# Altium PCB ArcadeTestHAT 05.PcbDoc (part 1 of 2) (continued)
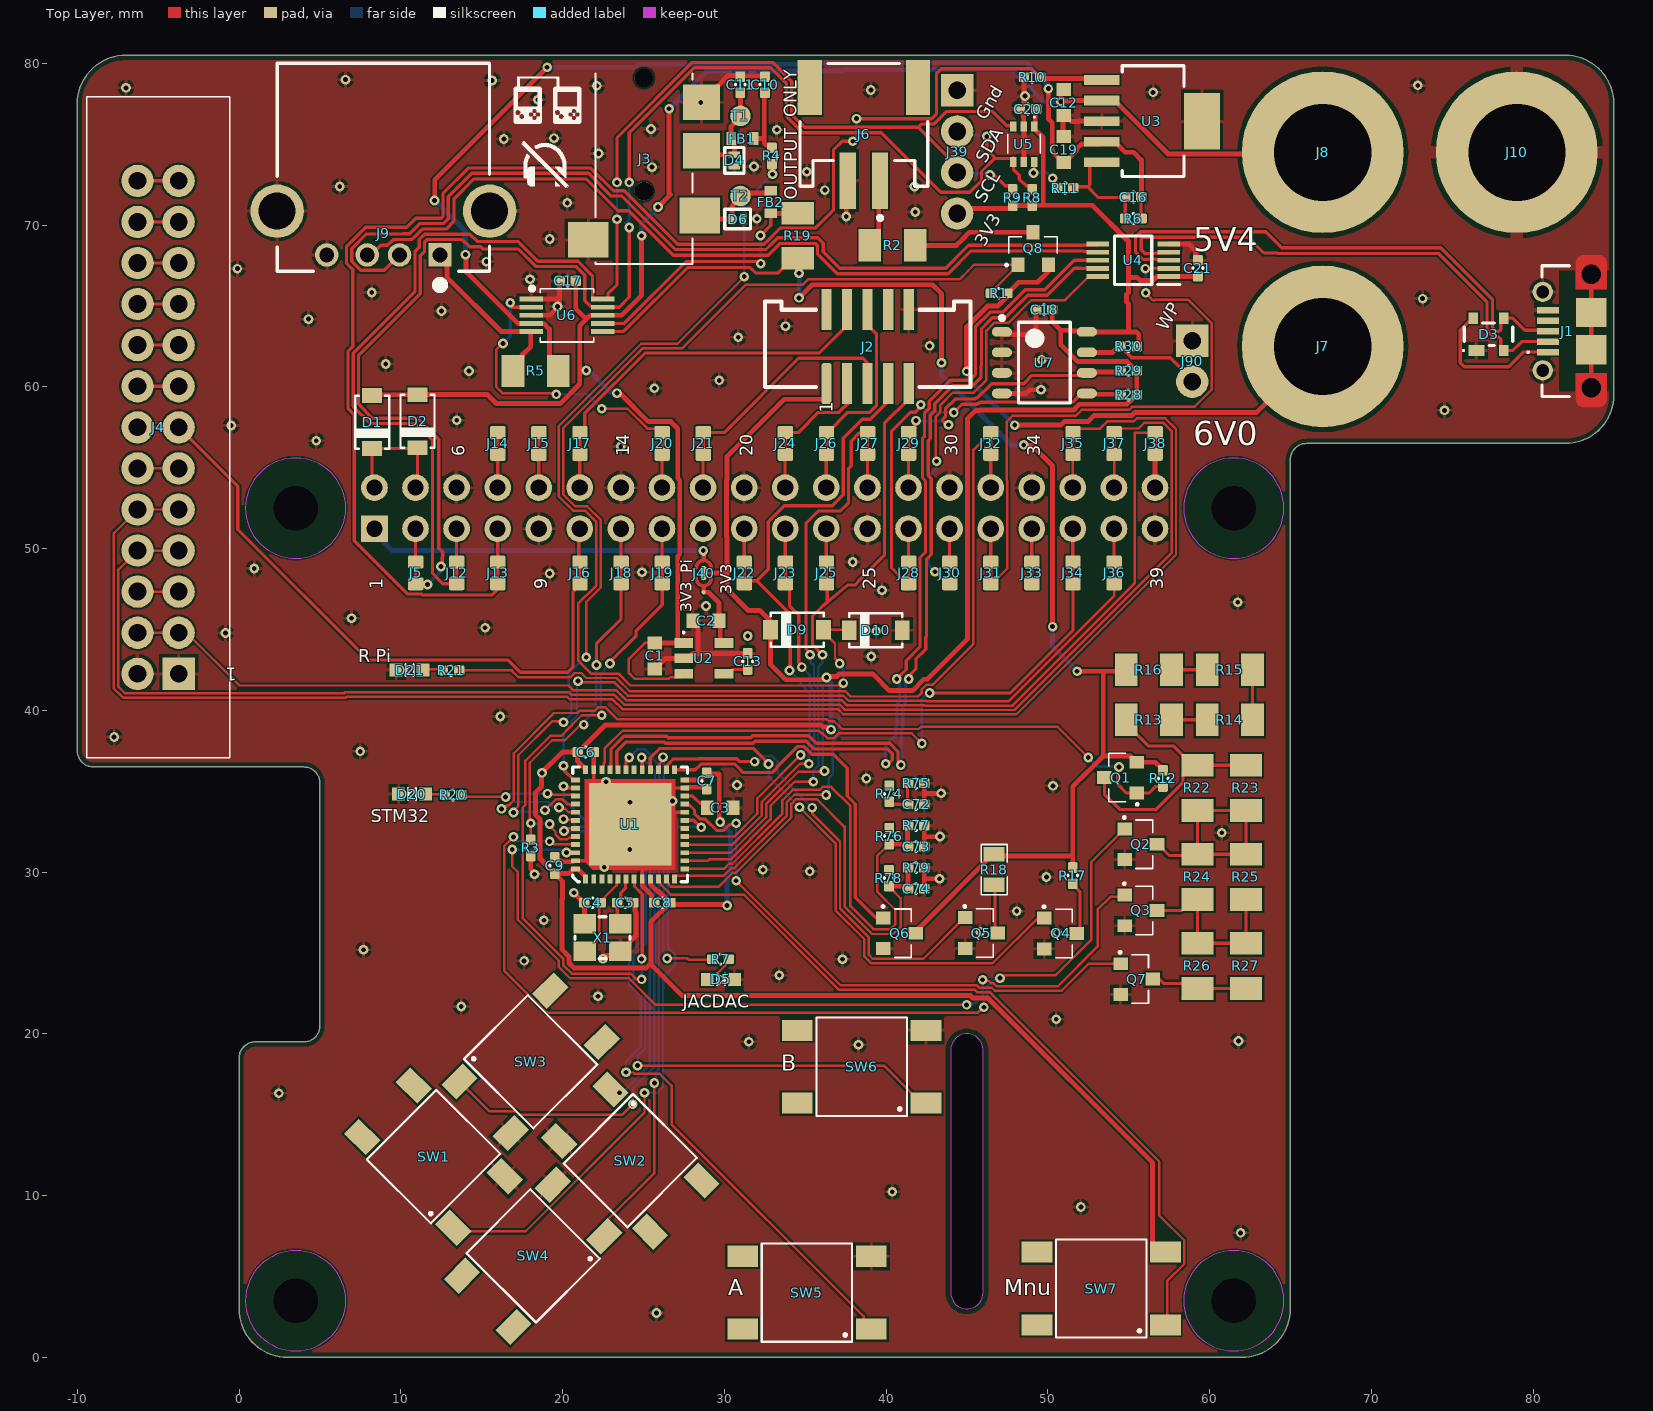
[diagram p0: Top Layer view]
## Part data (continued)
J39: library part "Header Multicomp 2211S-04G-whitesch", "2.54mm, 4x1 way, vertical, square pin, gold plate", Contact Resistance=20, Current Rating=3, Flammability Rating=UL94V-0, Insulation Resistance=1000, Manufacturer=Multicomp, Manufacturer Part Number=2211S-04G, Operating Temperature Max=105, Operating Temperature Min=-40, Supplier Part Number 1=1593413, Voltage Rating V AC=250, Withstand Voltage="600V<!--FANDB--><div class=\"features-and-benefits-container\"><div class=\"features-and-benefits-description\"><span class=\"features-benefits-value\">The 2211S-04G is a 4-pin 1-row PCB Header with gold plated copper alloy contacts and a black high temperature plastic (PBT) insulator. This board-to-board holder is ideal for through hole vertical mounting.</span></div><div class=\"features-and-benefits-list\"><ul class=\"features-and-benefits-list-list\"><li class=\"features-and-benefits-list-item\">3A AC/DC Rated current</li><li class=\"features-and-benefits-list-item\">250VAC/DC Rated voltage</li><li class=\"features-and-benefits-list-item\">20", ComponentLink1Description="header strip datasheet", ComponentLink1URL=http://www.farnell.com/datasheets/1518407.pdf, Contact Material="Copper Alloy", Contact Plating="Gold Plated Contacts", Contact Termination=Solder, Contact Termination Type="Through Hole", Created By=HUGHWI, Gender=Header, Lead Spacing=2.54, No. of Contacts=4, No. of Rows=1, Pitch Spacing=2.54, Pricing 1="1=0.0973, 5=0.0918, 25=0.0864, 50=0.0808, 100=0.0753, 250=0.032 (GBP)", Product Range=2211, RoHS=YES, Stock 1=2760, Supplier 1=Farnell, SVHC="No SVHC (17-Dec-2015)", Termination Method=Solder
J40: library part ThreeWaySolderBlob
J90: library part "Header Multicomp 2211S-02G-whitesch", "2.54mm, 2x1 way, vertical, square pin, gold plate", Manufacturer=Multicomp, Manufacturer Part Number=2211S-02G, Supplier Part Number 1=1593411, ComponentLink1Description="header strip datasheet", ComponentLink1URL=http://www.farnell.com/datasheets/1518407.pdf, Created By=daclethe, Pricing 1="100=0.0203, 500=0.0146, 1000=0.0122, 2500=0.011, 5000=0.0099, 10000=0.0086 (GBP)", RoHS=YES, Stock 1=168174, Supplier 1=Farnell
Q1 Q8: library part DMG2305UX-whitesch, Case/Package=TO-236-3, Continuous Drain Current (ID)=4.2A, Drain to Source Breakdown Voltage=-20V, Drain to Source Resistance=52mR, Drain to Source Voltage (Vdss)=20V, Gate to Source Voltage (Vgs)=8V, Input Capacitance=808pF, Manufacturer=Diodes, Manufacturer Part Number=DMG2305UX-13, Max Operating Temperature=150°C, Max Power Dissipation=1.4W, Min Operating Temperature=-55°C, On-State Resistance=65MR, Package Quantity=1, Supplier Part Number 1=DMG2305UX-13DICT-ND, Threshold Voltage=-900mV, ComponentLink2Description="online datasheet", ComponentLink2URL=https://datasheet.ciiva.com/18566/dmg2305ux-18566951.pdf, ComponentLink3Description=datasheet, ComponentLink3URL="Y:\System\Altium\Libraries 2014\Diodes Inc\Datasheets\dmg2305ux-30023840.pdf", Element Configuration=Single, Fall Time=34.7ns, Height=1.1mm, Lead Free="Lead Free", Length=3mm, Mount="Surface Mount", Number of Channels=1, Number of Pins=3, Packaging="Tape and Reel", Pricing 1="1=0.44, 10=0.398, 100=0.2228, 500=0.1194, 1000=0.0812 (USD)", Radiation Hardening=No, Rds On Max=52mR, REACH SVHC="No SVHC", Rise Time=13.7ns, Stock 1=131638, Supplier 1=Digi-Key, Supplier 2=Farnell, Supplier 3=Mouser, Supplier 4=RSComponents, Supplier Part Number 2=2543533, Supplier Part Number 3=621-DMG2305UX-7, Supplier Part Number 4=8270452, Turn-Off Delay Time=79.3ns, Turn-On Delay Time=10.8ns, Weight=0.000282oz, Width=1.4mm
Q2 Q3 Q4 Q5 Q6 Q7: library part DMG2302UK-whitesch, Case/Package=TO-236-3, Continuous Drain Current (ID)=2.8A, Drain to Source Voltage (Vdss)=20V, Input Capacitance=130pF, Manufacturer=Diodes, Manufacturer Part Number=DMG2302UK-7, Max Operating Temperature=150°C, Max Power Dissipation=660mW, Min Operating Temperature=-55°C, Supplier Part Number 1=DMG2302UK-7DICT-ND, ComponentLink2Description="online datasheet", ComponentLink2URL=https://www.diodes.com/assets/Datasheets/DMG2302UK.pdf, ComponentLink3Description=datasheet, ComponentLink3URL="Y:\System\Altium\Libraries 2014\Diodes Inc\Datasheets\DMG2302UK.pdf", Mount="Surface Mount", Packaging="Tape and Reel", Pricing 1="1=0.34000, 10=0.25000, 100=0.11890, 500=0.09704, 1000=0.07199 (USD)", Rds On Max=90mR, RoHS=Yes, Stock 1=37938, Supplier 1=Digi-Key, Supplier 2=Farnell, Supplier 3=Mouser, Supplier 4=RSComponents, Supplier Part Number 2=3127315, Supplier Part Number 3=621-DMG2302UK-7, Supplier Part Number 4=1333362
R1 R10: "Generic 0402 resistor 100k, e.g. Multicomp MCWR04X1003FTL", Case/Package=0402, Case Code (Metric)=1005, Manufacturer=Multicomp, Power Rating=62.5mW, Resistance=100k, Supplier Part Number 1=2447094, Temperature Coefficient=100ppm/°C, Tolerance=1%, Voltage Rating=50V, Case Code (Imperial)=0402, ComponentLink1Description="Multicomp datasheet online", ComponentLink1URL=http://www.farnell.com/datasheets/1849611.pdf?src-supplier=Element14, ComponentLink2Description=datasheet, ComponentLink2URL="Y:\System\Altium\Libraries 2014\Multicomp\datasheets\thick film chip resistors 1849611.pdf", Composition="Thick Film", Manufacturer Part Number=MCWR04X1003FTL, Mount="Surface Mount", Packaging="Cut Tape", Pricing 1="10=0.0041, 100=0.0025, 500=0.0018, 2500=0.0014, 5000=0.0011 (GBP)", REACH SVHC="No SVHC", Stock 1=414470, Supplier 1=Farnell, Voltage Rating (DC)=50V
R2 R5 R19: "Generic 1206 resistor 0.05R 1% 0.5W, e.g. Ohmite KDV12FR050ET", Manufacturer=Ohmite, Package Size=1206, Power=500mW, Supplier Part Number 1=273-KDV12FR050ETCT-ND, Tolerance=1%, ComponentLink1Description="Ohmite datasheet online", ComponentLink1URL=https://www.ohmite.com/assets/docs/res_kdv.pdf, Manufacturer Part Number=KDV12FR050ET, Pricing 1="1=0.29000, 10=0.24200, 25=0.17600, 50=0.12760, 100=0.09460, 250=0.07260, 500=0.05720, 1000=0.03960 (USD)", Stock 1=4924, Supplier 1=Digi-Key, Supplier 2=Farnell, Supplier 3=Mouser, Supplier Part Number 2=3273730, Supplier Part Number 3=588-KDV12FR050ET
R3 R12 R74 R75 R76 R77 R78 R79: "generic 0402 resistor 100k, e.g. Multicomp MCWR04X1003FTL", Case/Package=0402, Case Code (Metric)=1005, Manufacturer=Multicomp, Power Rating=62.5mW, Resistance=100k, Supplier Part Number 1=2447094, Temperature Coefficient=100ppm/°C, Tolerance=1%, Voltage Rating=50V, Case Code (Imperial)=0402, ComponentLink1Description="Multicomp datasheet online", ComponentLink1URL=http://www.farnell.com/datasheets/1849611.pdf?src-supplier=Element14, ComponentLink2Description=datasheet, ComponentLink2URL="Y:\System\Altium\Libraries 2014\Multicomp\datasheets\thick film chip resistors 1849611.pdf", Composition="Thick Film", Manufacturer Part Number=MCWR04X1003FTL, Mount="Surface Mount", Packaging="Cut Tape", Pricing 1="10=0.0041, 100=0.0025, 500=0.0018, 2500=0.0014, 5000=0.0011 (GBP)", REACH SVHC="No SVHC", Stock 1=414470, Supplier 1=Farnell, Voltage Rating (DC)=50V
R4: library part RES0402_GENERIC, "Generic 0402 resistor 220R", Case=0402, Manufacturer=Generic
R6: library part RES0402_GENERIC, "Generic 0402 Chip Resistor 75k", Case=0402, Manufacturer=Generic
R7 R20 R21: library part RES0402_GENERIC, "Generic 0402 resistor 100R", Case=0402, Manufacturer=Generic
R8 R9 R28 R29: library part RES0402_GENERIC, "Generic 0402 resistor 3k9", Case=0402, Manufacturer=Generic
R11: library part RES0402_GENERIC, "Generic 0402 resistor 22k", Case=0402, Manufacturer=Generic
R13 R14 R15 R16 R22 R23 R24 R25 R26 R27: "Generic 1206 resistor 2R 0.33W 5%, e.g. Panasonic ERJ-P08J2R0V", Case/Package=1206, Case Code (Metric)=3216, Manufacturer=Panasonic, Max Operating Temperature=155°C, Min Operating Temperature=-55°C, Package Quantity=5000, Power Rating=660mW, Resistance=2R, Supplier Part Number 1=ERJ-P08J2R0V-ND, Temperature Coefficient=600ppm/°C, Tolerance=5%, Voltage Rating=500V, Voltage Rating (DC)=200V, Case Code (Imperial)=1206, ComponentLink1Description="Panasonic datasheet online", ComponentLink1URL=https://industrial.panasonic.com/cdbs/www-data/pdf/RDO0000/AOA0000C331.pdf, Composition="Thick Film", Depth=1.6mm, Height=0.6mm, Length=3.2mm, Manufacturer Part Number=ERJ-P08J2R0V, Mount="Surface Mount", Number of Pins=2, Packaging="Tape and Reel", Pricing 1="5000=0.01560 (USD)", REACH SVHC="No SVHC", RoHS=Yes, Stock 1=0, Supplier 1=Digi-Key, Supplier 2=Farnell, Supplier 3=Mouser, Supplier 4=RSComponents, Supplier Part Number 2=1894401, Supplier Part Number 3=667-ERJ-P08J2R0V, Supplier Part Number 4=721-8627, Termination=SMD/SMT, Width=1.6mm
R17 R30: library part RES0402_GENERIC, "Generic 0402 resistor 1k", Case=0402, Manufacturer=Generic
R18: library part AS08J1000ET, "Generic 0805 resistor 100R 5% 1/3W, e.g. Ohmite AS08J1000ET", Case/Package=0805, Manufacturer=Ohmite, Max Operating Temperature=155°C, Max Power Dissipation=333mW, Min Operating Temperature=-55°C, Package Quantity=5000, Resistance=100R, Supplier Part Number 1=AS08J1000ET-ND, Temperature Coefficient=100ppm/°C, Tolerance=5%, ComponentLink1Description="Ohmite datasheet online", ComponentLink1URL=https://www.mouser.co.uk/datasheet/2/303/ohmite_res_as_smd-1189203.pdf, Composition="Thick Film", Height=0.026inch, Length=0.079inch, Manufacturer Part Number=AS08J1000ET, Number of Terminations=2, Packaging="Tape and Reel", Pricing 1="5000=0.02250 (USD)", RoHS=Yes, Stock 1=0, Supplier 1=Digi-Key, Supplier 2=Mouser, Supplier Part Number 2=588-AS08J1000ET, Width=0.049inch
SW1 SW2 SW3 SW4 SW5 SW6 SW7: "Generic 6x6mm SPST button e,g, Wurth 430152050826", Contact Current Rating=50mA, Manufacturer="Wurth Electronics", Manufacturer Part Number=430152050826, Max Operating Temperature=85°C, Min Operating Temperature=-40°C, Operating Force=260gf, Supplier Part Number 1=732-6993-1-ND, Actuator Length=1.6mm, Actuator Material="Polymer,Liquid Crystal Polymer", Actuator Type=Standard, ComponentLink1Description="wurth datasheet online", ComponentLink1URL=http://www.farnell.com/datasheets/1910150.pdf?src-supplier=Element14, ComponentLink2Description="wurth datasheet", ComponentLink2URL="Y:\System\Altium\Libraries 2014\Wurth\Datasheets\4301x2xxx8x6 1910150.pdf", Contact Material="Stainless Steel,Steel", Current Rating=50mA, Height=5mm, Illumination Type=Non-Illuminated,Illuminated, Length=6.2mm, Mechanical Life=200000Cycles, Mount="Surface Mount", Packaging="Tape and Reel", Pricing 1="1=0.47, 500=0.38232 (USD)", REACH SVHC="No SVHC", Stock 1=2282, Supplier 1=Digi-Key, Supplier 2=Farnell, Supplier 3=RSComponents, Supplier Part Number 2=2065110, Supplier Part Number 3=7856213, Switch Function=Off-Mom, Switch Travel=0.25mm, Termination="Gull Wing", Throw Configuration=SPST, Width=6.2mm
T1 T2: "Test Point"
U1: "ARM Cortex M4 MCU+FPU 512k Flash, 128k RAM, 100MHz, QFPN48", Case/Package=UFQFPN, Frequency=100MHz, Manufacturer=STMicroelectronics, Manufacturer Part Number=STM32F411CEU6, Max Operating Temperature=85°C, Max Power Dissipation=625mW, Max Supply Voltage=3.6V, Min Operating Temperature=-40°C, Min Supply Voltage=1.7V, Operating Supply Voltage=3.3V, Package Quantity=1560, Supplier Part Number 1=497-14907-ND, ComponentLink1Description="ST datasheet", ComponentLink1URL=https://www.st.com/resource/en/datasheet/stm32f411vc.pdf, Core Architecture=ARM, Data Bus Width=32b, Interface=I2C,I2S,IrDA,LIN,MMC,SD,SDIO,SPI,UART,USART,USB, Lead Free="Lead Free", Length=7mm, Max Frequency=100MHz, Memory Size=512KB, Memory Type=FLASH, Mount="Surface Mount", Number of ADC Channels=16, Number of I/Os=36, Number of Pins=48, Number of Programmable I/O=36, Number of Timers/Counters=8, Oscillator Type=Internal, Packaging=Tray, Peripherals="Brown-out Detect/Reset,DMA,POR,PWM,WDT", Pricing 1="1=6.25, 10=5.65, 260=4.46708, 520=4.07294, 1040=3.54739 (USD)", Radiation Hardening=No, RAM Size=128KB, REACH SVHC="No SVHC", Stock 1=16657, Supplier 1=Digi-Key, Supplier 2=Farnell, Supplier 3=Mouser, Supplier 4=RSComponents, Supplier Part Number 2=2456965, Supplier Part Number 3=511-STM32F411CEU6, Supplier Part Number 4=1106616, Watchdog Timer=Yes, Width=7mm
U2: "3.3V LDO", Case/Package=SOT-23-5, Dropout Voltage=340mV, Manufacturer=Exar, Manufacturer Part Number=SPX3819M5-L-3-3/TR, Max Input Voltage=16V, Max Operating Temperature=125°C, Max Output Current=500mA, Min Input Voltage=2.5V, Min Operating Temperature=-40°C, Min Output Voltage=3.3V, Output Voltage Accuracy=1%, Quiescent Current=3uA, Supplier Part Number 1=1016-1873-1-ND, Accuracy=1%, ComponentLink3Description="MaxLinear datasheet online", ComponentLink3URL=https://www.maxlinear.com/ds/spx3819.pdf, ComponentLink4Description="Maxlinear datasheet", ComponentLink4URL="Y:\System\Altium\Libraries 2014\MaxLinear (was Exar)\datasheets\SPX3819.pdf", Height=1.3mm, Lead Free="Lead Free", Length=2.9mm, Mount="Surface Mount", Number of Outputs=1, Number of Pins=5, Number of Regulators=1, Output Current=500mA, Output Type=Fixed, Output Voltage=3.3V, Packaging="Tape and Reel", Polarity=Positive, Pricing 1="1=0.57, 10=0.479, 25=0.4196, 100=0.3595, 250=0.3116, 500=0.26364, 1000=0.20373 (USD)", Radiation Hardening=No, Stock 1=72378, Supplier 1=Digi-Key, Supplier 2=Farnell, Supplier 3=Mouser, Supplier 4=RSComponents, Supplier Part Number 2=2889625, Supplier Part Number 3=701-SPX3819M5-L-33TR, Supplier Part Number 4=8472888, Width=1.6mm
U3: "IC REG LDO adj1A SOT223-6", Case/Package=SOT-223, Dropout Voltage=200mV, Input Bias Current=265uA, Manufacturer="Texas Instruments", Max Input Voltage=5.5V, Max Operating Temperature=125°C, Max Output Current=1A, Min Current Limit=2.4A, Min Input Voltage=2.7V, Min Operating Temperature=-40°C, Min Output Voltage=1.2V, Output Voltage Accuracy=2%, Package Quantity=1, Quiescent Current=260uA, Reference Voltage=1.225V, Supplier Part Number 1=296-13761-1-ND, Accuracy=2%, ComponentLink1Description="TI datasheet online", ComponentLink1URL=http://www.ti.com/lit/ds/symlink/tps796.pdf, Contact Plating=Gold, Lead Free="Lead Free", Manufacturer Part Number=TPS79601DCQR, Max Output Voltage=5.5V, Number of Outputs=1, Number of Pins=6, Number of Regulators=1, Output Current=1A, Output Type=Adjustable, Output Voltage=5.5V, Packaging="Tape and Reel", Polarity=Positive, Pricing 1="1=3.16000, 10=2.83500, 25=2.67960, 100=2.20340, 250=1.97708, 500=1.90560, 1000=1.58403 (USD)", Radiation Hardening=No, REACH SVHC="No SVHC", RoHS=Yes, Stock 1=1314, Supplier 1=Digi-Key, Supplier 2=Farnell, Supplier 3=Mouser, Supplier Part Number 2=3007966, Supplier Part Number 3=595-TPS79601DCQR
U4: "USB 2.0 multiplexer, 2 port", Case/Package=MSOP, Current=100mA, Manufacturer="ON Semiconductor / Fairchild", Max Operating Temperature=85°C, Max Supply Voltage=4.3V, Min Operating Temperature=-40°C, Min Supply Voltage=3V, On-State Resistance=6.5R, Package Quantity=1, Supplier Part Number 1=FSUSB42MUXCT-ND, ComponentLink1Description="online datasheet", ComponentLink1URL=https://www.onsemi.com/pub/Collateral/FSUSB42-D.PDF, Data Rate=480Mbps, Height=0.85mm, Lead Free="Lead Free", Length=3mm, Manufacturer Part Number=FSUSB42MUX, Mount="Surface Mount", Number of Channels=2, Number of Inputs=2, Number of Outputs=4, Number of Pins=10, Operating Supply Voltage=4.3V, Packaging="Tape and Reel", Pricing 1="1=0.62000, 10=0.54400, 100=0.38730, 500=0.31312, 1000=0.23896 (USD)", Radiation Hardening=No, REACH SVHC="No SVHC", RoHS=Yes, Stock 1=15860, Supplier 1=Digi-Key, Supplier 2=Farnell, Supplier 3=Mouser, Supplier 4=RSComponents, Supplier Part Number 2=2564479, Supplier Part Number 3=512-FSUSB42MUX, Supplier Part Number 4=7395144, Supply Type=Single, Throw Configuration=DPDT, Voltage=4.3V, Weight=0.1125g, Width=3mm
U5: "I2C digital pot 5k, single, 7 bit, 6SC70", Case/Package=SC, Manufacturer=Microchip, Max Operating Temperature=125°C, Max Supply Voltage=5.5V, Min Operating Temperature=-40°C, Min Supply Voltage=1.8V, Nominal Supply Current=2.5uA, Package Quantity=3000, Resistance=5kR, Supplier Part Number 1=MCP4018T-502E/LTCT-ND, Temperature Coefficient=150ppm/°C, Tolerance=20%, ComponentLink1Description="Microchip datasheet online", ComponentLink1URL=http://ww1.microchip.com/downloads/en/DeviceDoc/22147a.pdf, Height=1mm, Interface=I2C,Serial,2-Wire, Lead Free="Lead Free", Length=2mm, Manufacturer Part Number=MCP4018T-502E/LT, Memory Type=Volatile, Mount="Surface Mount", Number of Circuits=1, Number of Elements=1, Number of Pins=6, Number of Positions=128, Number of Taps=128, Packaging="Tape and Reel", Pricing 1="1=0.51000, 25=0.43000 (USD)", Radiation Hardening=No, REACH SVHC="No SVHC", RoHS=Yes, Stock 1=3653, Supplier 1=Digi-Key, Supplier 2=Farnell, Supplier 3=Mouser, Supplier Part Number 2=1800210, Supplier Part Number 3=579-MCP4018T502ELT, Width=1.25mm
U6: "IC ADC 16-BIT I2C PROGBL 10-MSOP", Input Voltage="4.096 V", Manufacturer="Texas Instruments (TI)", Maximum Single Supply Voltage="5.5 V", Max Processing Temp=260, Minimum Single Supply Voltage="2 V", Operating Temperature="-40 to 125 C", Package=10VSSOP, Polarity of Input Voltage=Bipolar, Supplier Part Number 1=296-24934-1-ND, Typical Power Dissipation="0.9 mW", Typical Single Supply Voltage="3.3 V", Voltage Reference=Internal, Voltage Supply Source=Single, Architecture=Delta-Sigma, Category=ADC, ComponentLink1Description="online datasheet", ComponentLink1URL=http://www.ti.com/lit/ds/symlink/ads1115.pdf, Differential Input=Yes, Digital Interface Type="Serial (2-Wire, I2C)", Digital Supply Support=No, Full Scale Error="0.15 % of FSR", Input Signal Type=Single-Ended|Differential, Input Type=Voltage, Integral Nonlinearity Error="1 LSB", Lead Finish=Gold, Manufacturer Part Number=ADS1115IDGST, Mounting="Surface Mount", Number of ADCs=1, Number of Analog Inputs=4|2, Pricing 1="1=6.51, 10=5.847, 100=4.7903 (USD)", Resolution="16 Bit", Sample and Hold=No, Sampling Rate="860 sps", Single-Ended Input=Yes, Stock 1=6232, Supplier 1=Digikey
U7: "I2C serial EEPROM 32 kbit", Case/Package=SOIC, Frequency=400kHz, Manufacturer="ON Semiconductor", Manufacturer Part Number=CAT24C32WIGT3, Max Frequency=100kHz, Max Operating Temperature=85°C, Max Supply Voltage=5.5V, Min Operating Temperature=-40°C, Min Supply Voltage=1.7V, Nominal Supply Current=2mA, Operating Supply Voltage=5V, Package Quantity=1, Supplier Part Number 1=CAT24C32WI-GT3CT-ND, Access Time=3500ns, ComponentLink1Description="On Semi datasheet online", ComponentLink1URL=https://www.onsemi.com/pub/Collateral/CAT24C32-D.PDF, Contact Plating=Gold, Density=32Kb, Halogen Free="Halogen Free", Height=1.5mm, Interface=I2C,Serial,2-Wire, Lead Free="Lead Free", Length=5mm, Memory Size=32Kb, Memory Type=EEPROM, Mount="Surface Mount", Number of Pins=8, Number of Words=4096, Packaging="Tape and Reel", Pricing 1="1=0.200000, 10=0.197000, 100=0.161900, 500=0.157360, 1000=0.153150 (USD)", Radiation Hardening=No, REACH SVHC="No SVHC", RoHS=Yes, Stock 1=37111, Supplier 1=Digi-Key, Supplier 2=Farnell, Supplier 3=Mouser, Supplier 4=RSComponents, Supplier Part Number 2=2306646, Supplier Part Number 3=698-CAT24C32WI-GT3, Supplier Part Number 4=7814828, Width=4mm
X1: "Generic 3.2x2.5mm 24MHz 12pF SMD xtal, e.g. Multicomp MCSJK-7U-24.00-12-10-60-B-10", Frequency=24MHz, Loading capacitance=12pF, Manufacturer=Multicomp, Manufacturer Part Number=MCSJK-7U-24.00-12-10-60-B-10, Supplier Part Number 1=2853960, Tolerance=±10ppm, ComponentLink1Description="online datasheet", ComponentLink1URL=http://www.farnell.com/datasheets/2645227.pdf?_ga=2.202843601.1706070776.1558802095-240913015.1522930266, ComponentLink2Description=datasheet, ComponentLink2URL="Y:\System\Altium\Libraries 2014\Multicomp\datasheets\MCSJK-7U 3.2x2.5mm SMD xtals.pdf", ESR=60R, Pricing 1="5=0.14, 50=0.114, 250=0.105, 500=0.099, 1500=0.095, 3000=0.086, 15000=0.0843 (GBP)", Stock 1=2335, Supplier 1=Farnell

## Free pads (board coordinates)
  round 0 hole 2.75 unplated mask+3.1: 7(3.5,3.5) 7(3.5,52.5) 7(61.5,3.5) 7(61.5,52.5)

## Via types
v1: diameter 0.6, hole 0.3, Top Layer to Bottom Layer, tented both sides, 217 vias
v2: diameter 0.6, hole 0.3, Top Layer to Bottom Layer, 1 vias

## Nets (pads, with @x,y where several pads share a name; then routed paths per layer and width w, separated by ;. In a path a pad name is that pad's centre, name@x,y a point inside that pad or via, vN(x,y) a via of type N, cw(c..) or ccw(c..) an arc to the next point about the centre after c; other vN are vias at no path point)
3V3: C6.2 C7.2 C8.2 C9.2 C18.2 C20.2 C21.2 D9.1 J2.1 J39.4 J40.2 R8.1 R9.1 R28.1 R29.1 R30.1 SW7.2 U1.1 U1.9 U1.24 U1.36 U1.48 U4.1 U5.1 U7.8 | length 212.4
  Top Layer w0.2: J40.2@28.725,48.487 29.376,48.486 29.382,48.48
  Top Layer w0.3: C6.2@20.75,37.42 19.984,37.42 18.7,36.136 18.7,35.287 18.325,34.912 18.325,33.542 18.609,33.258 18.609,30.842 19.52,29.932 C9.2@19.52,29.907 ; C6.2@20.925,37.425 20.925,36.85 U1.36@21.425,36.35 ; C6.2@21.107,37.27 20.957,37.42 22.628,39.091 35.995,39.091 36.112,38.974 v1@36.358,38.974 ; U1.1@21.43,29.575 21.43,29.7 20.93,30.2 U1.48@20.805,30.2 20.68,30.2 20.386,29.907 C9.2@19.52,29.907 ; U1.36@21.43,36.325 U1.36@21.43,36.45 ; U1.9@25.43,29.575 25.43,29.262 25.932,28.759 25.996,28.759 26.505,28.25 C8.2@26.674,28.25 ; C8.2@26.674,28.107 26.649,28.107 25.467,26.925 25.467,24.4 25.425,24.358 25.425,24.333 ; C8.2@26.702,27.997 30.118,27.997 v1(30.175,27.94) ; U1.24@27.555,35.7 28.506,35.7 28.916,36.11 C7.2@28.916,36.135 ; C7.2@28.983,36.068 29.693,36.068 29.693,33.147 v1(29.743,33.096) ; 29.382,48.48 29.402,48.5 30.175,48.5 ; 32.175,46.175 31.475,46.175 30.175,47.475 30.175,48.5 ; 32.181,46.181 D9.1@32.862,45.5 ; D9.1@32.862,44.992 32.862,42.83 33.798,41.894 36.179,41.894 v1(36.322,42.037) ; J2.1@36.322,60.198 36.322,59.404 36.155,59.237 33.71,59.237 30.175,55.702 30.175,54.271 30.13,54.226 30.13,50.774 30.175,50.729 30.175,48.5 ; v1@36.405,42.094 36.963,42.094 37.125,42.256 39.176,42.256 40.208,41.224 41.648,41.224 42.345,41.922 42.557,41.922 45.03,44.395 45.03,58.035 45.54,58.545 45.783,58.545 45.808,58.57 51.599,58.57 51.954,58.925 54.105,58.925 54.895,58.925 55.095,59.125 55.1,59.125 R28.1@55.411,59.436 ; J39.4@44.4,70.714 44.716,71.029 47.678,71.029 47.828,71.179 R9.1@47.828,71.204 R8.1@49.047,71.204 49.068,71.225 49.725,71.225 ; U5.1@49.175,75.966 49.725,75.416 49.725,71.225 ; U5.1@49.175,76.166 49.225,76.216 C20.2@49.225,77.126 ; C20.2@49.225,77.225 C20.2@49.225,77.126 ; C20.2@49.275,77.175 C20.2@49.225,77.126 ; C18.2@50.276,64.77 50.28,64.766 50.28,64.02 50.8,63.5 ; 54.991,63.424 54.991,65.125 54.873,65.243 54.873,65.719 54.991,65.837 54.991,68.986 52.752,71.225 49.725,71.225 ; 55.016,66.751 55.531,66.751 55.703,66.579 56.508,66.579 56.752,66.823 U4.1@57.481,66.823 59.272,66.823 C21.2@59.284,66.835 ; R28.1@55.5,59.5 R29.1@55.5,60.85 ; R29.1@55.5,61 55.475,61 55.048,61.427 55.043,61.427 54.895,61.575 53.383,61.575 53.365,61.557 51.853,61.557 50.8,62.61 50.8,63.5 ; R30.1@55.5,62.5 55.626,62.626 55.626,63.246 55.47,63.402 U7.8@52.416,63.402 52.359,63.459 51.353,63.459 51.312,63.5 50.8,63.5 ; SW7.2@57.285,6.503 56.985,6.503 56.485,7.003 56.485,12.019 46.288,22.216 45.374,22.216 45.222,22.368 27.39,22.368 25.425,24.333 ; C9.2@19.52,29.907 19.99,29.436 19.99,28.321 19.974,28.305 19.974,25.208 20.403,24.779 20.403,24.381 20.72,24.063 25.155,24.063 25.425,24.333
  Bottom Layer w0.3: v1(29.743,33.096) 30.378,32.461 30.378,29.922 30.159,29.702 30.159,29.226 30.175,29.21 v1(30.175,27.94) ; v1(36.322,42.037) 36.322,41.956 36.6,41.678 v1(36.6,38.81)
  other v1: 18.726,36.136
5V4: C1.2 C12.2 C17.2 D1.2 D2.2 J8.1 U2.1 U2.3 U3.2 U6.8 | length 109.9
  Top Layer w0.15: C1.2@25.706,44.167 25.092,44.167 24.1,43.175 24.1,42.3 24.45,41.95 26.221,41.95 26.561,41.95 26.651,42.04 27.265,42.04 U2.3@27.5,42.275
  Top Layer w0.3: D1.2@8.25,59.5 8.264,59.514 D2.2@11.035,59.514 11.04,59.518 15.361,59.518 15.917,58.963 19.847,58.963 21.061,60.177 21.061,61.036 ; C17.2@20.82,66.548 20.82,64.831 21.368,64.283 21.569,64.283 ; v1(21.463,61.011) 21.438,61.036 21.061,61.036 ; v1@23.52,59.639 25.31,57.85 26.702,57.85 27.125,57.427 27.125,54.351 27.25,54.226 27.25,49.658 27.125,49.533 27.125,44.315 27.275,44.165 U2.1@27.484,44.165 ; v1(24.892,69.342) 24.892,65.667 23.65,64.425 21.711,64.425 21.569,64.283 ; C1.2@25.565,44.165 U2.1@27.125,44.165 ; v1(25.908,71.12) 26.67,71.882 26.594,71.958 v1(26.594,77.191) ; v1@50.698,77.673 51.664,77.673 51.689,77.699 U3.2@53.338,77.699 54.138,77.699 57.433,74.404 66.904,74.404 J8.1@67,74.5 ; C12.2@50.8,77.992 50.8,78.176 C12.2@51,78.376 ; 21.061,61.036 21.061,63.775 21.469,64.182 21.569,64.283
  Bottom Layer w0.3: v1@21.641,60.985 22.96,59.666 23.315,59.666 v1(23.368,59.614) ; v1(24.892,69.342) 24.892,70.104 v1(25.908,71.12) ; v1@26.613,77.209 28.924,79.521 37.315,79.521 37.402,79.609 47.773,79.609 49.759,77.622 v1(50.8,77.622)
5V_ADJ: C16.2 C19.2 R5.2 R6.1 U3.4 U6.4 | length 71.3
  Top Layer w0.2: R6.1@55.724,70.475 55.756,70.507 55.756,71.533 C16.2@55.724,71.533
  Top Layer w0.3: v1(12.084,71.525) 12.1,71.541 12.1,72.806 v1(19.05,79.756) ; v1(14,68.175) 14.042,68.133 14.042,67.11 17.228,63.925 U6.4@18.075,63.925 18.839,63.925 19.189,63.575 19.189,61.835 19.556,61.468 R5.2@19.558,61.468 ; v1(50.038,78.435) 50.038,76.569 50.275,76.332 50.275,74.547 50.95,73.872 C19.2@51,73.872 ; C19.2@51.05,73.872 51.774,74.595 51.774,74.71 52.072,75.009 53.188,75.009 U3.4@53.338,75.159 54.138,75.159 54.793,74.503 55.303,74.503 55.788,74.018 C16.2@55.788,71.733
  Bottom Layer w0.3: v1(12.084,71.525) 12.1,71.525 14,69.625 v1(14,68.175) ; v1(19.05,79.756) 24.493,79.756 24.683,79.946 35.282,79.946 35.37,80.034 48.662,80.034 49.981,78.715 49.981,78.444 49.989,78.435 v1(50.038,78.435)
5V_ADJ2: J9.1 R5.1 U6.5 | length 10.1
  Top Layer w0.3: J9.1@12.424,68.156 12.849,67.731 12.849,66.776 16.2,63.425 17.4,63.425 U6.5@18.034,63.425 ; R5.1@17.376,61.722 17.489,61.835 17.489,61.939 18.034,62.484 U6.5@18.034,63.425 ; U6.5@18.075,63.425 U6.5@18.034,63.425
5V_ADJ_EN: J13.2 R10.1 U3.1 | length 89.5
  Top Layer w0.2: 7.124,50.474 10.399,47.2 11.275,47.2 11.35,47.125 15.629,47.125 J13.2@16.002,47.498 ; 7.125,50.475 7.125,58.259 6.74,58.644 6.74,62.218 7.036,62.514 7.036,67.241 6.649,67.628 6.649,68.684 7.832,69.868 10.368,69.868 10.925,70.425 ; 10.925,70.431 12.492,70.431 12.609,70.548 12.609,71.959 14.175,73.525 21.745,73.525 23.151,72.119 23.812,72.119 27.113,68.818 32.447,68.818 32.644,69.015 33.446,69.817 35.637,69.817 36.745,70.925 36.745,74.642 37.287,75.184 v1(37.948,75.184) ; v1(38.176,76.581) 38.184,76.573 42.825,76.573 43.119,76.867 43.119,79.371 43.413,79.665 48.976,79.665 49.501,79.14 R10.1@49.526,79.14
  Top Layer w0.3: R10.1@49.638,79.117 49.701,79.054 53.252,79.054 U3.1@53.338,78.969
  Bottom Layer w0.2: v1(37.948,75.184) 37.948,75.26 38.176,75.489 v1(38.176,76.581)
5V_USB_IN: D3.4 J1.1 | length 9
  Top Layer w0.2: D3.4@76.25,64.25 76.25,64.15 76.1,64 76,64 75.5,63.5 75.5,61.5 75.75,61.25 78.5,61.25 79.398,62.148 J1.1@80.927,62.148
6V: J7.1 Q8.2 R1.1 | length 35.2
  Top Layer w0.3: v1(44.983,60.96) 44.983,63.701 46.281,64.999 46.914,64.999 47.49,65.575 R1.1@47.49,65.786 47.515,65.786 48.199,66.47 49.364,66.47 50.048,67.155 Q8.2@50.048,67.355 ; v1(47.955,57.633) 50.801,57.633 51.018,57.85 52.478,57.85 52.853,58.225 55.185,58.225 55.385,58.425 62.925,58.425 J7.1@67,62.5
  Bottom Layer w0.3: v1(44.983,60.96) 45.009,60.96 45.066,60.903 45.066,60.522 v1(47.955,57.633)
\L\O\A\D\_\2\R\_\A\: Q2.1 U1.45 | length 60.1
  Top Layer w0.15: v1(16.967,32.178) 16.391,31.602 16.391,23.91 19.008,21.293 45.655,21.293 46.003,21.641 v1(46.05,21.641) ; v1(19.202,31.902) 19.324,31.902 19.511,31.716 20.79,31.716 U1.45@20.805,31.7 ; v1@47.092,23.368 47.092,23.373 47.32,23.602 47.334,23.602 47.354,23.622 50.486,23.622 52.664,25.8 ; 52.675,25.8 52.664,25.8 ; Q2.1@54.725,32.65 54.682,32.65 54.379,32.347 54.379,32.304 52.689,30.614 52.689,25.825 52.664,25.8
  Bottom Layer w0.15: v1(16.967,32.178) 17.243,31.902 v1(19.202,31.902) ; v1(46.05,21.641) 46.05,22.039 46.249,22.238 46.249,22.91 46.783,23.444 v1(47.041,23.444)
\S\U\P\P\L\Y\_\B\A\T\: Q8.1 R1.2 U1.40 | length 67.1
  Top Layer w0.15: v1(16.967,33.68) 16.967,33.802 17.26,34.095 17.26,34.325 17.26,34.967 17.26,37.224 19.375,39.339 19.995,39.339 v1(20.066,39.268) ; v1(18.923,33.833) 18.923,33.845 19.577,34.499 19.991,34.499 20.29,34.2 U1.40@20.805,34.2 ; v1(21.463,43.282) 21.463,46.708 22.37,47.615 22.37,51.768 21.532,52.606 20.784,52.606 20.045,53.345 20.045,57.458 24.98,62.393 27.418,62.393 31.35,66.325 34.857,66.325 35.197,66.665 44.567,66.665 45.051,67.149 ; 45.05,67.15 45.455,67.555 Q8.1@48.125,67.555 ; R1.2@46.49,65.786 46.515,65.786 46.74,66.011 46.74,66.096 47.244,66.601 47.823,67.18 48.125,67.481 48.148,67.505 Q8.1@48.148,67.555
  Bottom Layer w0.15: v1(16.967,33.68) 16.993,33.706 16.993,33.731 v1@18.923,33.731 ; v1(20.066,39.268) 20.541,39.743 20.541,41.473 20.379,41.635 20.379,42.274 21.387,43.282 v1(21.463,43.282)
\U\S\B\_\O\E\: J30.2 U4.10 | length 26.4
  Top Layer w0.15: v1(43.028,48.565) 43.445,48.147 43.54,48.147 43.586,48.101 J30.2@43.586,48.031 ; v1(43.129,55.397) 43.08,55.446 43.08,58.164 43.339,58.423 43.339,58.528 43.358,58.547 43.358,58.877 44.12,59.639 45.415,59.639 46.203,60.427 46.203,63.471 46.706,63.974 47.595,63.974 48.983,65.361 51.069,65.361 52.531,66.823 U4.10@53.081,66.823
  Bottom Layer w0.15: v1(43.028,48.565) 42.647,48.946 42.647,49.454 42.748,49.555 42.748,54.61 43.111,54.973 43.111,55.379 v1(43.129,55.397)